# Altium PCB logical.PcbDoc
Units mm, origin at the board's own origin, x right, y up, seen from the top; angles counter-clockwise.
Board outline 100 x 50 mm, 2 copper layers (Top Layer, Bottom Layer), stack 0.771 mm thick; 55 components, 187 nets, 216 pads, 35 vias.
Unrouted connection lines stored in the file: 1.
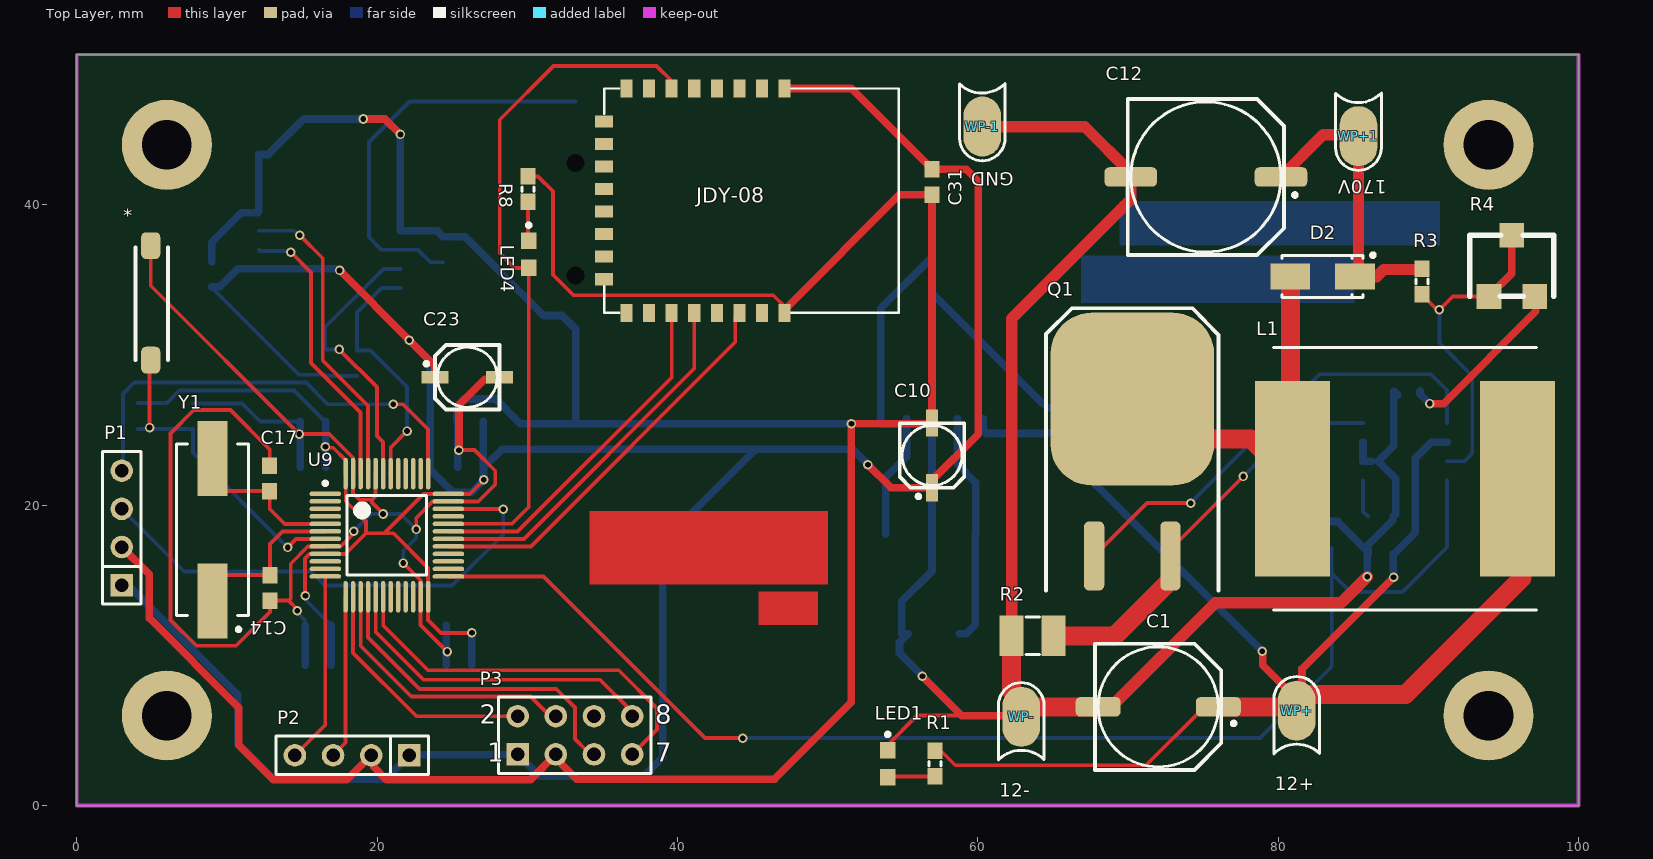
[diagram p0: Top Layer view]
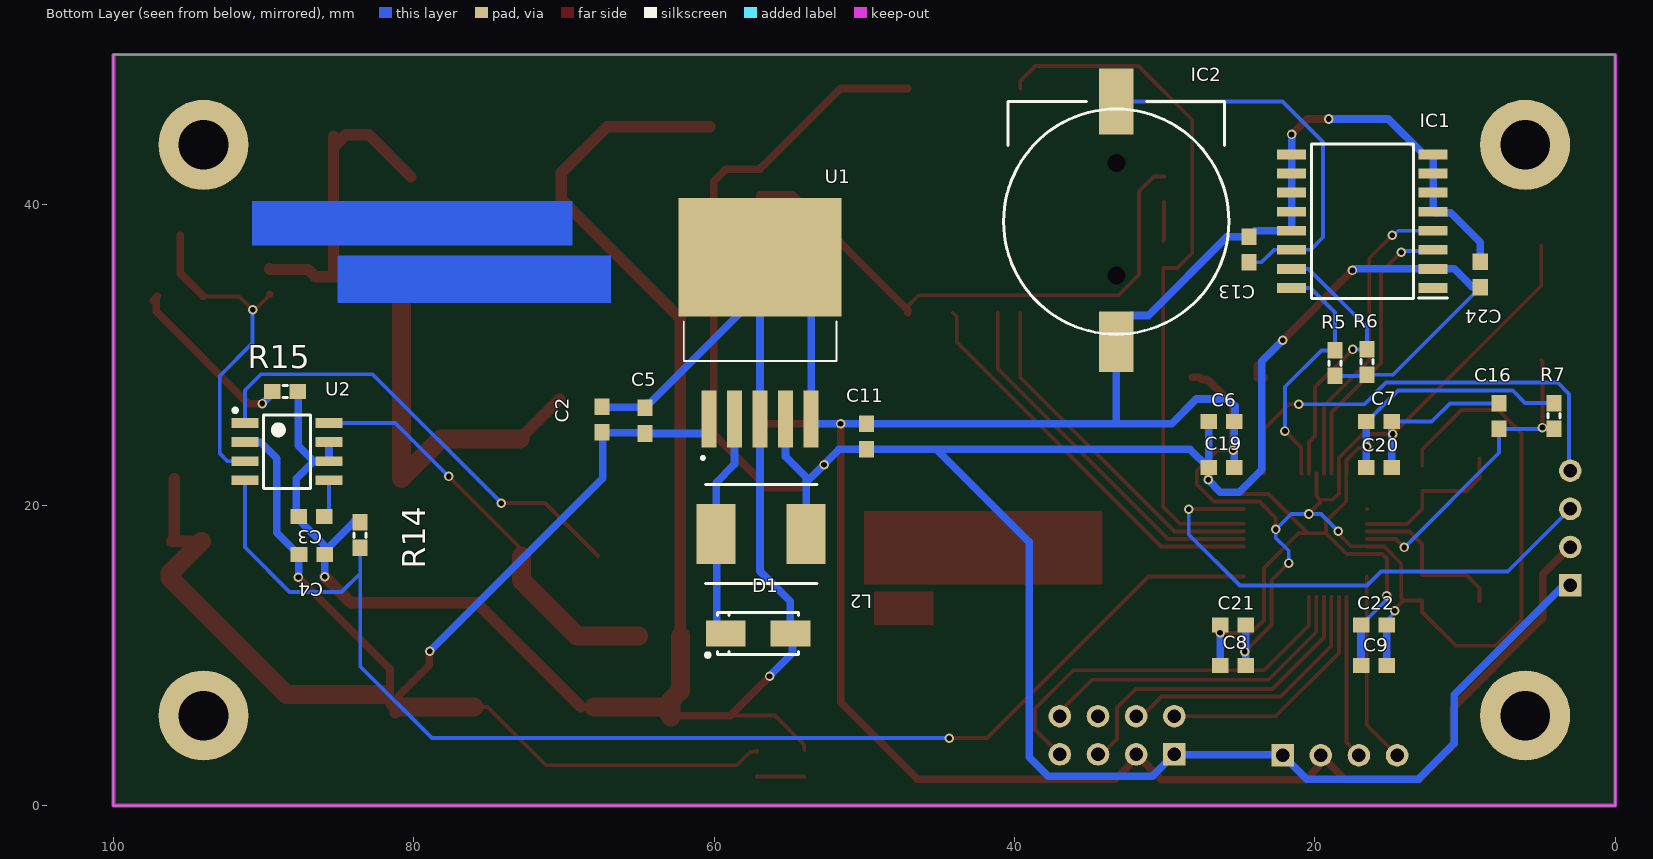
[diagram p1: Bottom Layer view, seen from below]
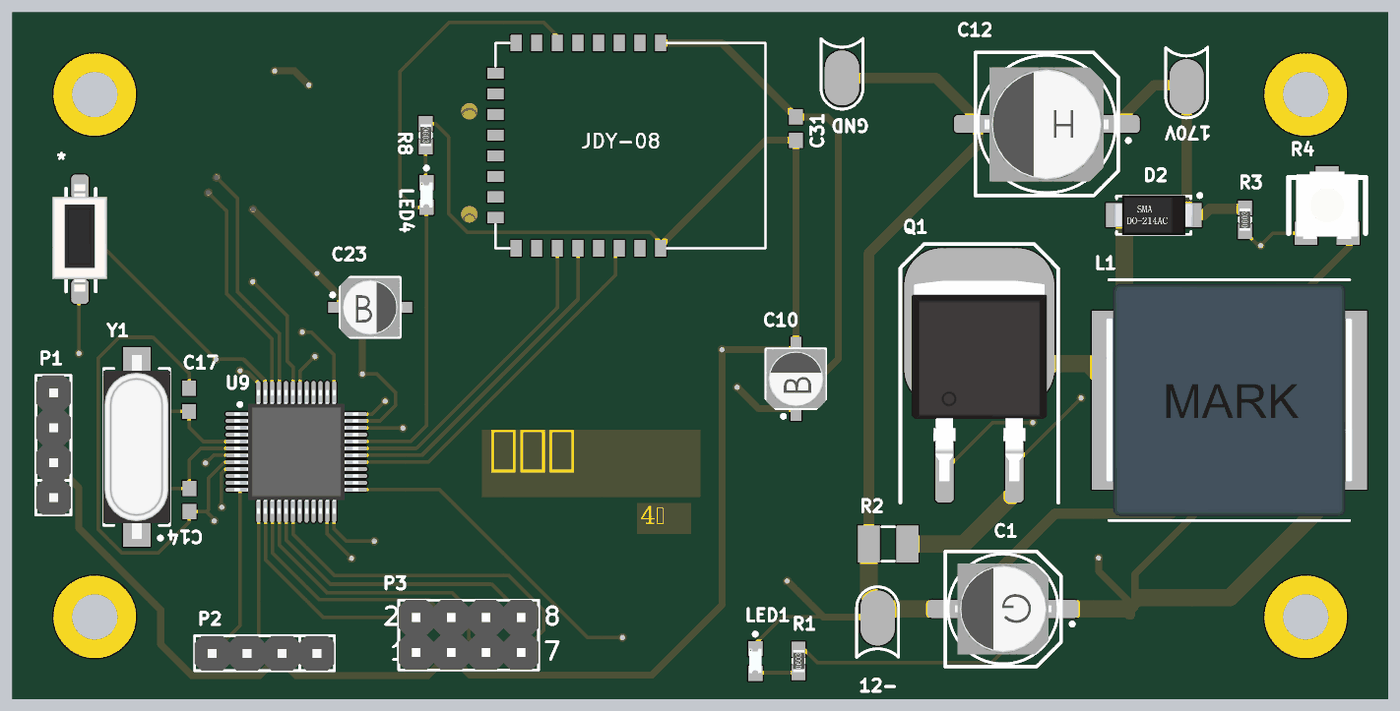
[diagram p2: 3D render of the assembled board from above, using the file's embedded part models]

## Layer stack, top to bottom
Top Solder: solder mask 0.0102, Solder Resist, Dk 3.5
Top Layer: signal copper 0.0356
Dielectric 1: dielectric 0.7, FR-4, Dk 4.8
Bottom Layer: signal copper 0.0356
Bottom Solder: solder mask 0.0102, Solder Resist, Dk 3.5

## Board outline
0,0 100,0 100,50 0,50

## Design rules (kind name [scope] priority, off if disabled: settings)
Clearance [All] p1: gap=0.178 ignorepadtopadclearanceinfootprint=FALSE
Height [All] p1: minheight=0 maxheight=50 prefheight=12.7
PolygonConnect [All] p1: connectstyle=Relief reliefconductorwidth=0.254 reliefentries=4 polygonreliefangle="90 Angle" airgapwidth=0.254
RoutingVias [All] p1: holewidth=0.381 width=0.305 viastyle="Through Hole" minholewidth=0.381 minwidth=0.635 maxholewidth=0.711 maxwidth=1.27
SolderMaskExpansion [All] p1: expansion=0.102
Width [All] p1: maxlimit=2.54 minlimit=0.203 preferedwidth=0.254
29 further rules are at their usual default settings.

## Classes and differential pairs
component class Sheet1: * C1 C2 C3 C4 C5 C6 C7 C8 C9 C10 C11 C12 C13 C14 C16 C17 C19 C20 C21 C22 C23 C24 C31 D1 D2 IC1 IC2 L1 L2 LED1 LED4 P1 P2 P3 Q1 R1 R2 R3 R4 R5 R6 R7 R8 R14 R15 U1 U2

## Components (designator, comment, footprint, x,y, rotation, side; value= is the part's Value field where it differs from the comment)
* "KEY" KEY 4.928,29.667 r90 top locked
C1 "330uF" CAPS8 72.009,6.579 r180 top
C2 "226" CAPC1608[0603] 67.462,25.705 r90 bottom
C3 "104" CAPC1608[0603] 86.817,19.253 r180 bottom
C4 "104" CAPC1608[0603] 86.792,16.739 r0 bottom
C5 "104" CAPC1608[0603] 64.618,25.629 r270 bottom
C6 "226" CAPC1608[0603] 26.213,25.578 r180 bottom
C7 "226" CAPC1608[0603] 15.723,25.578 r180 bottom
C8 "226" CAPC1608[0603] 25.451,9.347 r180 bottom
C9 "226" CAPC1608[0603] 16.078,9.347 r180 bottom
C10 "10uF" CAPS4 56.947,23.317 r90 top
C11 "104" CAPC1608[0603] 49.86,24.587 r270 bottom
C12 "10uF" CAPS10 75.184,41.859 r180 top
C13 "104" CAPC1608[0603] 24.384,37.033 r90 bottom
C14 "22PF" CAPC1608[0603] 12.878,14.503 r270 top
C16 "104" CAPC1608[0603] 7.747,25.933 r90 bottom
C17 "22PF" CAPC1608[0603] 12.852,21.793 r90 top
C19 "104" CAPC1608[0603] 26.213,22.53 r180 bottom
C20 "104" CAPC1608[0603] 15.723,22.53 r180 bottom
C21 "104" CAPC1608[0603] 25.451,12.014 r180 bottom
C22 "104" CAPC1608[0603] 16.078,12.014 r180 bottom
C23 "10uF" CAPS4 26.01,28.524 r0 top
C24 "226" CAPC1608[0603] 8.992,35.357 r90 bottom
C31 "226" CAPC1608[0603] 56.947,41.529 r270 top
D1 "SS26" SMA[DO-214AC] 57.074,11.455 r0 bottom
D2 "RS1G FR104 1A 400V" SMA[DO-214AC] 82.956,35.23 r0 top
IC1 "DS3231S" SOIC127P1032X265-16N 16.84,38.913 r0 bottom locked
IC2 "CR1220-2" CR12202 33.223,38.887 r90 bottom
L1 "220uH" WHC1770 88.443,21.768 r0 top locked
L2 "22uH" WHC0630 56.871,18.085 r0 bottom
LED1 "Red" LEDC1608(0603) 54,2.794 r270 top
LED4 "Red" LEDC1608(0603) 30.099,36.703 r270 top
P1 "Header 4" HDR1X4 2.997,14.681 r90 top
P2 "Header 4" HDR1X4 22.149,3.353 r180 top
P3 "Header 4X2" HDR2X4 29.362,3.416 r0 top locked
Q1 "IRF840S  8A  500V" TO-263 70.282,21.844 r0 top locked
R1 "5k" RESC1608[0603] 57.15,2.794 r90 top
R2 "0.05" RESC3225[1210] 63.652,11.303 r180 top value=0.05R
R3 "1.8M" RESC1608[0603] 89.586,34.9 r90 top
R4 "6k/10k" Rhostat3 95.555,35.941 r0 top
R5 "1k" RESC1608[0603] 18.669,29.464 r270 bottom
R6 "1k" RESC1608[0603] 16.535,29.54 r270 bottom
R7 "10k" RESC1608[0603] 4.089,25.959 r270 bottom
R8 "620R" RESC1608[0603] 30.048,41.046 r270 top
R14 "47k" RESC1608[0603] 83.566,18.009 r270 bottom
R15 "10k" RESC1608[0603] 88.57,27.584 r0 bottom
U1 "LM2596S-3.3" TO-263-5 56.947,32.156 r90 bottom
U2 "MAX1771" SOIC8 88.443,23.571 r180 bottom
U9 "STM32F103C8T6" LQFP48_M 20.65,18.009 r0 top locked
WP+ "12+" WirePadSingleSide 108.579,6.325 r0 top
WP+1 "170V" WirePadSingleSide 57.994,44.577 r180 top
WP- "12-" WirePadSingleSide 90.24,5.918 r0 top
WP-1 "GND" WirePadSingleSide 32.95,45.212 r180 top
Y1 "8MHz" XTAL-SMD 9.042,13.614 r90 top locked
? "CC2541-MOD" JDY-08 47.117,47.752 r0 top

## Footprints (in the part's own frame and the unit in brackets; to place one, negate y for a bottom-side part, rotate by r counter-clockwise, add the part's x,y. Pads: shape width x height; smd on the part's side, far side on the other; paste and mask are expansions set on the pad)
CAPC1608[0603] [mm] "Chip Capacitor, 2-Leads, Body 1.60x0.80mm, IPC Medium Density"
  rect 1.1x1 smd: 1(-0.85,0) 2(0.85,0)
  body extent -0.88,-0.48 0.87,0.47, height 0.85
CAPS4 [mm] "Solid Electorlytic Capacitor, B-type Footprint, 4mm Diameter, 5.5mm Height"
  rect 1.8x0.8 smd: 1(-2.15,0) 2(2.15,0)
  silkscreen extent -2.85,-2.15 2.15,2.15, body extent -2.29,-2.16 2.31,2.14, height 5.2
CAPS8 [mm] "Solid Electorlytic Capacitor, G-type Footprint, 8mm Diameter, 10mm Height"
  rrect50% 3x1.3 smd: 1(-4,0) 2(4,0)
  silkscreen extent -5.15,-4.2 4.2,4.2, body extent -3.5,-3.3 3.5,3.3, height 7.7
CAPS10 [mm] "Solid Electorlytic Capacitor, H-type Footprint, 10mm Diameter, 10mm Height"
  rrect50% 3.5x1.3 smd: 1(-5,0) 2(5,0)
  silkscreen extent -6.05,-5.2 5.2,5.2, body extent -4.47,-4.12 4.53,4.18, height 10.5
CR12202 [mm]
  rect 4x2.3 smd: 1(-8,0)
  rect 4.4x2.3 smd: 2(8,0)
  round 0.6 hole 1.2 unplated: MH1(-3.6,0) MH2(3.9,0)
  silkscreen extent -7.5,-7.5 8,7.5, body extent -9.29,-7.49 9.21,7.5, height 4.44
HDR1X4 [mm] "Connector; Header; 4 Position"
  rect 1.5x1.5 hole 0.9: 1(0,0)
  round 1.5 hole 0.9: 2(2.54,0) 3(5.08,0) 4(7.62,0)
  silkscreen extent -1.27,-1.27 8.89,1.27, body extent -1.27,-1.27 8.89,1.27, height 8.54
HDR2X4 [mm] "Connector; Header; 4x2 Position"
  rect 1.5x1.5 hole 0.9: 1(0,0)
  round 1.5 hole 0.9: 2(0,2.54) 3(2.54,0) 4(2.54,2.54) 5(5.08,0) 6(5.08,2.54) 7(7.62,0) 8(7.62,2.54)
  silkscreen extent -1.27,-1.27 8.89,3.81, body extent -1.27,-1.27 8.89,3.81, height 8.54
JDY-08 [mm]
  rect 0.8x1.2 smd: 1(0,0) 2(-1.5,0) 3(-3,0) 4(-4.5,0) 5(-6,0) 6(-7.5,0) 7(-9,0) 8(-10.5,0) 17(-10.5,-14.935) 18(-9,-14.935) 19(-7.5,-14.935) 20(-6,-14.935) 21(-4.5,-14.935) 22(-3,-14.935) 23(-1.5,-14.935) 24(0,-14.935)
  rect 1.2x0.8 smd: 9(-12,-2.202) 10(-12,-3.702) 11(-12,-5.202) 12(-12,-6.702) 13(-12,-8.202) 14(-12,-9.702) 15(-12,-11.202) 16(-12,-12.702)
  silkscreen extent -12,-14.94 7.61,0
KEY [mil]
  rrect50% 70x50 smd: 1(0,0) 2(300,0)
  silkscreen extent 0,-45 295,40, body extent 0,-78 308,80, height 102
LEDC1608(0603) [mm] "LED,Chip;1.60mm L X 0.80mm W X 0.80mm H"
  rect 1.1x1.05 smd: A(0.9,0) C(-0.9,0)
  silkscreen extent -2.07,-0.12 -1.83,0.13, body extent -0.9,-0.45 0.9,0.45, height 0.8
LQFP48_M [mm] "Thin QFP, 48-Leads, Body 7x7mm, Pitch 0.5mm, IPC Low Density"
  oval 2.1x0.3 smd: 1(-4.1,2.75) 2(-4.1,2.25) 3(-4.1,1.75) 4(-4.1,1.25) 5(-4.1,0.75) 6(-4.1,0.25) 7(-4.1,-0.25) 8(-4.1,-0.75) 9(-4.1,-1.25) 10(-4.1,-1.75) 11(-4.1,-2.25) 12(-4.1,-2.75) 25(4.1,-2.75) 26(4.1,-2.25) 27(4.1,-1.75) 28(4.1,-1.25) 29(4.1,-0.75) 30(4.1,-0.25) 31(4.1,0.25) 32(4.1,0.75) 33(4.1,1.25) 34(4.1,1.75) 35(4.1,2.25) 36(4.1,2.75)
  oval 0.3x2.1 smd: 13(-2.75,-4.1) 14(-2.25,-4.1) 15(-1.75,-4.1) 16(-1.25,-4.1) 17(-0.75,-4.1) 18(-0.25,-4.1) 19(0.25,-4.1) 20(0.75,-4.1) 21(1.25,-4.1) 22(1.75,-4.1) 23(2.25,-4.1) 24(2.75,-4.1) 37(2.75,4.1) 38(2.25,4.1) 39(1.75,4.1) 40(1.25,4.1) 41(0.75,4.1) 42(0.25,4.1) 43(-0.25,4.1) 44(-0.75,4.1) 45(-1.25,4.1) 46(-1.75,4.1) 47(-2.25,4.1) 48(-2.75,4.1)
  silkscreen extent -4.22,-2.65 2.65,3.57, body extent -4.5,-4.5 4.5,4.5, height 1.6
RESC1608[0603] [mm] "Chip Resistor, 2-Leads, Body 1.60x0.82mm, IPC Medium Density"
  rect 1.1x1 smd: 1(-0.85,0) 2(0.85,0)
  silkscreen extent -0.15,-0.4 0.15,0.4, body extent -0.8,-0.4 0.8,0.4, height 0.45
RESC3225[1210] [mm] "Chip Resistor, 2-Leads, Body 3.20x2.49mm, IPC Medium Density"
  rect 1.6x2.7 smd: 1(-1.4,0) 2(1.4,0)
  silkscreen extent -0.45,-1.25 0.45,1.25, body extent -1.68,-1.32 1.68,1.32, height 0.71
Rhostat3 [mil]
  rect 65x65 smd: 1(-60,-80) 2(60,-80) 3(0,80)
  silkscreen extent -110,-80 110,80, body extent -89,-96 89,96, height 87
SMA[DO-214AC] [mm] "Molded Diode, 2-Leads, Body 5.00x2.49mm, IPC Medium Density"
  rect 2.65x1.75 smd: A(-2.15,0) K(2.15,0)
  silkscreen extent -2.7,-1.4 3.48,1.55, body extent -2.9,-1.46 2.91,1.46, height 2.3
SOIC8 [mm] "SOIC,1.27mm pitch;8 pin,3.90mm W X 4.88mm L X 1.73mm H body"
  rect 1.8x0.65 smd: 1(-2.8,1.905) 2(-2.8,0.635) 3(-2.8,-0.635) 4(-2.8,-1.905) 5(2.8,-1.905) 6(2.8,-0.635) 7(2.8,0.635) 8(2.8,1.905)
  silkscreen extent -3.58,-2.45 1.58,2.87, body extent -3.11,-2.45 3.11,2.45, height 1.75
SOIC127P1032X265-16N [mm]
  rect 1.925x0.65 smd: 1(-4.712,4.445) 2(-4.712,3.175) 3(-4.712,1.905) 4(-4.712,0.635) 5(-4.712,-0.635) 6(-4.712,-1.905) 7(-4.712,-3.175) 8(-4.712,-4.445) 9(4.712,-4.445) 10(4.712,-3.175) 11(4.712,-1.905) 12(4.712,-0.635) 13(4.712,0.635) 14(4.712,1.905) 15(4.712,3.175) 16(4.712,4.445)
  silkscreen extent -5.68,-5.15 3.4,5.15, body extent -5.16,-5.15 5.16,5.15, height 2.65
TO-263 [mm]
  rrect50% 1.35x4.6 smd: 1(-2.54,-5.225) 3(2.54,-5.225)
  rrect50% 10.9x11.5 smd: 2(0,5.225)
  silkscreen extent -5.74,-7.52 5.74,11.28, body extent -4.91,-5.98 4.91,8.6, height 4.22
TO-263-5 [mm]
  rect 3.79x0.99 smd: 1(-6.4,3.4) 2(-6.4,1.7) 3(-6.4,0) 4(-6.4,-1.7) 5(-6.4,-3.4)
  rect 7.88x10.84 smd paste-6: 6(4.35,0)
  silkscreen extent -9.1,-5.08 0.09,5.08, body extent -7.04,-5.08 7.32,5.08, height 4.65
WHC0630 [mm] "7.4mm 6.6mm 3mm"
  rect 2.6x4 smd: 1(-3,0) 2(3,0)
  silkscreen extent -3.7,-3.3 3.7,3.3, body extent -3.66,-3.38 3.64,3.22, height 2.8
WHC1770 [mm] "17.5mm 17.5mm 7mm"
  rect 5x13 smd: 1(-7.5,0) 2(7.5,0)
  silkscreen extent -8.75,-8.75 8.75,8.75, body extent -8.95,-8.43 8.95,8.47, height 6.81
WirePadSingleSide [mm] "A single-side pad for soldering wire."
  oval 2.5x4 smd: 1(-27.35,0)
  silkscreen extent -28.87,-2.88 -25.83,2.27
XTAL-SMD [mm]
  rect 5x2 smd: 1(0,0) 2(9.5,0)
  silkscreen extent -2,-2.4 10.45,2.4, body extent -1.95,-2.46 11.45,2.44, height 4

## Part data
C1: library part "Cap Solid", "Polarized Capacitor (Radial)", Voltage=25V, Price(RMB)=0.000, Published=8-Jun-2000, Publisher="Altium Limited", Revision="July-2002: Re-released for DXP Platform."
C2 C3 C4 C5 C6 C7 C8 C9 C11 C13 C14 C16 C17 C19 C20 C21 C22 C24 C31: library part "Cap Chip 1", "Chip Capacitor, PSpice Model", Tolerance=Y5V, Voltage=3V, Price(RMB)=0.000, Published=8-Jun-2000, Publisher="Altium Limited", Revision="July-2002: Re-released for DXP Platform."
C10 C23: library part "Cap Solid", "Polarized Capacitor (Radial)", Voltage=16V, Price(RMB)=0.000, Published=8-Jun-2000, Publisher="Altium Limited", Revision="July-2002: Re-released for DXP Platform."
C12: library part "Cap Solid", "Polarized Capacitor (Radial)", Voltage=400V, Price(RMB)=0.000, Published=8-Jun-2000, Publisher="Altium Limited", Revision="July-2002: Re-released for DXP Platform."
D1: library part "Diode SMx", "Molded Diode", Imax=500mA, PartNumber=SS26, Price(RMB)=0.000, Published=8-Jun-2000, Publisher="Altium Limited", Revision="July-2002: Re-released for DXP Platform."
D2: library part "Diode TVS Uni-Dir", "TRANSIENT VOLTAGE  SUPPRESSOR DIODE", PartNumber=P/N, Imax=500mA, Price(RMB)=0.000, Published=8-Jun-2000, Publisher="Altium Limited"
IC1: "Integrated Circuit", Manufacturer_Name="Maxim Integrated", Mouser Part Number=700-DS3231S-, Datasheet Link=http://componentsearchengine.com/Datasheets/1/DS3231S.pdf, Height=2.65mm, Manufacturer_Part_Number=DS3231S, Mouser Price/Stock=https://www.mouser.co.uk/ProductDetail/Maxim-Integrated/DS3231S/?qs=ffX8NcjNb2RJWdvttxi1fQ%3D%3D
IC2: "Integrated Circuit", Manufacturer_Name=Q&J, Datasheet Link=https://datasheet.lcsc.com/szlcsc/Q-J-CR1220-2_C70381.pdf, Height=4.1mm, Manufacturer_Part_Number=CR1220-2
L1 L2: library part L
LED1 LED4: library part "LED Chip", "Typical Chip LED", Color=Red, Price(RMB)=0.00, Published=8-Jun-2000, Publisher="Altium Limited", Revision="July-2002: Re-released for DXP Platform."
P1 P2: "Header, 4-Pin", LatestRevisionDate=17-Jul-2002, LatestRevisionNote="Re-released for DXP Platform.", Price(RMB)=0.00, Publisher="Altium Limited"
P3: "Header, 4-Pin, Dual row", LatestRevisionDate=17-Jul-2002, LatestRevisionNote="Re-released for DXP Platform.", Price(RMB)=0.00, Publisher="Altium Limited"
Q1: library part NMOS
R1 R2 R3 R5 R6 R7 R8 R14 R15: library part "Res Chip 2p 1", "Chip Resistor, PSpice Model, IPC PCB Library Drawing", Tolerance=5%, Price(RMB)=0.000, Published=8-Jun-2000, Publisher="Altium Limited", Revision="July-2002: Re-released for DXP Platform.", TC1=0, TC2=0
R4: library part Rhostat
U1: library part LM2596S-5.0, "SIMPLE SWITCHER&reg; 4.5V to 40V, 3A Low Component Count Step-Down Regulator 5-DDPAK/TO-263", Package="TO-263-5 Texas Instruments", Availability=Good, Check_prices=https://www.snapeda.com/parts/LM2596S-5.0/NOPB/Texas%20Instruments/view-part/15588/?ref=eda, DigiKey-Purchase-URL=https://snapeda.com/shop?store=DigiKey&id=15588, MF="Texas Instruments", Mouser-Purchase-URL=https://snapeda.com/shop?store=Mouser&id=15588, MP=LM2596S-5.0/NOPB, Price=None, SnapEDA_Link=https://www.snapeda.com/parts/LM2596S-5.0/NOPB/Texas%20Instruments/view-part/15588/?ref=snap, Texas_Instruments-Purchase-URL=https://snapeda.com/shop?store=Texas+Instruments&id=15588
U2: "DC-to-DC Converter Control Circuit", PartNumber=MAX1771, Price(RMB)=0.0
U9: "STM32 ARM-based 32-bit MCU Performance Line with 64 kB Flash, 20 kB Internal RAM, -40 to +85癈 Temperature, 48-Pin LQFP, Tray", ComponentLink1Description="Manufacturer URL", ComponentLink1URL=http://www.st.com/, ComponentLink2Description="STM32F103 Datasheet", ComponentLink2URL=http://www.st.com/internet/com/TECHNICAL_RESOURCES/TECHNICAL_LITERATURE/DATASHEET/CD00161566.pdf, ComponentLink3Description="STM32 Family Web Page", ComponentLink3URL=www.st.com/stm32, DatasheetVersion="rev13.0, Apr-2011", PackageDescription="48-Pin Low-Profile Quad Flat Pack, 7 x 7 mm Body, 0.5 mm Pitch (LQFP48)", PackageReference=LQFP48, PackageVersion="rev13, Apr-2011"
WP+ WP+1 WP- WP-1: library part "Wire Pad", "Wire soldering pad.", Price(RMB)=0.000
Y1: library part XTAL, "Crystal Oscillator", Price(RMB)=0.000, Published=8-Jun-2000, Publisher="Altium Limited", Revision="July-2002: Re-released for DXP Platform."

## Free pads (board coordinates)
  round 6 hole 3.3: 15(6,6) 15(6,44) 15(94,6) 15(94,44)

## Via types
v1: diameter 0.635, hole 0.381, Top Layer to Bottom Layer, tented both sides, 35 vias

## Nets (pads, with @x,y where several pads share a name; then routed paths per layer and width w, separated by ;. In a path a pad name is that pad's centre, name@x,y a point inside that pad or via, vN(x,y) a via of type N, cw(c..) or ccw(c..) an arc to the next point about the centre after c; other vN are vias at no path point)
1_N0: 
1_N1: 
1_N2: 
1_N3: 
1_N4: 
1_N5: 
1_N6: 
1_N7: 
1_N8: 
1_N9: 
2_N0: 
2_N1: 
2_N2: 
2_N3: 
2_N4: 
2_N5: 
2_N6: 
2_N7: 
2_N8: 
2_N9: 
3_N0: 
3_N1: 
3_N2: 
3_N3: 
3_N4: 
3_N5: 
3_N6: 
3_N7: 
3_N8: 
3_N9: 
4_N0: 
4_N1: 
4_N2: 
4_N3: 
4_N4: 
4_N5: 
4_N6: 
4_N7: 
4_N8: 
4_N9: 
32kHz: IC1.1
+3.3V: ?.1 C6.1 C7.1 C8.1 C9.1 C10.1 C11.2 C19.1 C20.1 C21.1 C22.1 C23.1 C24.1 C31.1 IC1.2 L2.1 P1.1 P2.1 P3.1 R5.2 R6.2 R7.1 U1.4 U9.9 U9.24 U9.36 U9.48 | length 254.2
  Top Layer w0.254: v1(15.232,13.978) 15.195,14.015 15.195,16.447 15.498,16.75 16.541,16.75 U9.9 17.876,16.759 19.253,18.136 ; v1(16.561,23.901) 16.634,23.829 17.08,23.829 17.9,23.009 U9.48 17.909,22.1 17.909,20.267 19.253,18.923 19.253,18.136 ; 20.523,18.186 23.087,20.75 24.741,20.75 U9.36 26.169,20.759 v1(27.102,21.692) ; v1(26.314,11.506) 24.257,11.506 23.4,12.363 U9.24 23.395,13.913 23.395,15.822 21.082,18.136 19.253,18.136
  Top Layer w0.508: v1(17.501,35.636) v1(22.149,30.988) 23.847,29.29 23.847,28.511 C23.1@23.372,28.511 ; ?.1 51.574,47.752 56.651,42.675 56.701,42.675 56.947,42.429 C31.1 59.221,42.379 60.02,41.58 60.02,24.741 56.947,21.667 C10.1 54.22,21.167 v1(52.68,22.708)
  Bottom Layer w0.254: R7.1 6.003,26.809 6.833,27.638 14.462,27.638 16.523,25.578 C7.1 ; C24.1 14.808,28.69 R6.2 16.612,28.614 R5.2 ; v1(15.232,13.978) 15.232,13.711 C22.1
  Bottom Layer w0.508: P1.1 3.429,14.681 10.719,7.391 10.719,4.14 13.106,1.753 20.549,1.753 P2.1 22.18,3.384 29.331,3.384 P3.1 30.823,1.956 37.744,1.956 39.014,3.226 39.014,17.551 45.2,23.737 ; C24.1 8.992,34.557 9.538,34.557 10.719,35.738 IC1.2 17.399,35.738 v1(17.501,35.636) ; C20.1 C7.1 ; C9.1 C22.1 ; v1(22.149,30.988) 23.546,29.591 23.546,22.377 25.044,20.879 26.289,20.879 v1(27.102,21.692) 27.082,21.711 27.082,22.511 C19.1 ; C8.1 v1@26.301,11.506 ; C6.1 C19.1 ; 51.675,23.737 C11.2 45.2,23.737 ; 51.702,23.711 53.871,21.542 ; L2.1 53.871,21.542 ; U1.4 55.247,23.243 53.871,21.867 53.871,21.542 ; C19.1 27.113,22.53 28.32,23.737 45.2,23.737
+12: C1.1 C2.1 C4.2 C5.2 L1.2 R1.2 U1.1 U2.2 WP+.1 | length 108.7
  Top Layer w0.254: R1.2 57.15,3.594 57.595,3.594 58.496,2.692 71.196,2.692 75.082,6.579 C1.1
  Top Layer w0.508: v1(78.943,10.287) 78.967,10.263 78.967,9.336 81.229,7.075 WP+.1 81.587,6.683 81.587,6.962 81.587,9.121 v1(87.681,15.215)
  Top Layer w0.762: WP+.1@80.823,6.579 WP+.1@81.229,6.172 ; WP+.1@81.587,6.962 WP+.1@82.032,7.407 ; L1.2@94.127,17.597 96.114,17.597 95.943,17.768 L1.2
  Top Layer w1.27: C1.1 WP+.1@80.823,6.579 ; WP+.1@82.032,7.407 88.484,7.407 96.241,15.164 96.241,15.484 L1.2@94.127,17.597
  Bottom Layer w0.508: U1.1 60.347,25.02 60.588,24.779 C5.2 64.656,24.817 67.424,24.817 67.424,21.806 v1(78.943,10.287) ; v1(87.681,15.215) 87.661,15.234 87.661,16.719 C4.2 87.692,16.739 89.129,18.175 89.129,23.139 90.195,24.206 U2.2
+170: C12.1 D2.K R3.2 WP+1.1 | length 20.9
  Top Layer w0.762: C12.1 83.003,44.679 84.492,44.679 WP+1.1@85.344,43.827 ; WP+1.1 WP+1.1@85.344,43.827 ; R3.2 89.586,35.7 87.033,35.7 86.563,35.23 D2.K 85.344,35.467 WP+1.1@85.344,43.827
_1_N0: 
_1_N1: 
_1_N2: 
_1_N3: 
_1_N4: 
_1_N5: 
_1_N6: 
_1_N7: 
_1_N8: 
_1_N9: 
_2_N0: 
_2_N1: 
_2_N2: 
_2_N3: 
_2_N4: 
_2_N5: 
_2_N6: 
_2_N7: 
_2_N8: 
_2_N9: 
_3_N0: 
_3_N1: 
_3_N2: 
_3_N3: 
_3_N4: 
_3_N5: 
_3_N6: 
_3_N7: 
_3_N8: 
_3_N9: 
_4_N0: 
_4_N1: 
_4_N2: 
_4_N3: 
_4_N4: 
_4_N5: 
_4_N6: 
_4_N7: 
_4_N8: 
_4_N9: 
CS: Q1.3 R2.1 U2.8 | length 27.7
  Top Layer w0.254: Q1.3 72.86,16.657 72.86,17.107 v1(77.673,21.92)
  Top Layer w1.27: R2.1 69.131,11.303 72.822,14.994 Q1.3
  Bottom Layer w0.254: v1(77.673,21.92) 81.229,25.476 U2.8
DISC: ?.21
DOT1: 
DOT2: 
DS3231_SCL: IC1.16 R5.1 U9.42 | length 16.7
  Top Layer w0.254: U9.42 20.909,22.117 20.909,23.855 v1(21.996,24.943)
  Bottom Layer w0.254: IC1.16 20.295,34.468 18.669,32.842 R5.1 19.572,30.314 21.996,27.889 v1(21.996,24.943)
DS3231_SDA: IC1.15 R6.1 U9.43 | length 18.5
  Top Layer w0.254: v1(17.475,30.378) 19.99,27.864 19.99,24.613 20.4,24.202 U9.43
  Bottom Layer w0.254: v1(17.475,30.378) 16.547,30.378 R6.1 16.535,31.852 20.422,35.738 IC1.15
EXT: Q1.1 U2.1 | length 31.1
  Top Layer w0.254: Q1.1 71.265,20.142 v1(74.168,20.142)
  Bottom Layer w0.254: v1(74.168,20.142) 82.753,28.727 90.17,28.727 91.243,27.655 U2.1
FB: R3.1 R4.1 R4.3 U2.3 | length 22.3
  Top Layer w0.254: R3.1 89.586,34 90.493,33.093 90.656,33.093 v1(90.729,33.02) 91.618,33.909 R4.1
  Top Layer w0.508: R3.1 R3.1@89.592,34.055 ; R4.1 95.555,35.433 R4.3
  Bottom Layer w0.254: v1(90.729,33.02) 90.729,30.81 92.913,28.626 92.913,23.444 92.405,22.936 U2.3
GND: *.2 ?.24 C1.2 C2.2 C3.1 C4.1 C5.1 C6.2 C7.2 C8.2 C9.2 C10.2 C11.1 C12.2 C13.2 C14.2 C16.2 C17.2 C19.2 C20.2 C21.2 C22.2 C23.2 C24.2 C31.2 D1.A IC1.5 IC1.6 IC1.7 IC1.8 IC1.9 IC1.10 IC1.11 IC1.12 IC1.13 IC2.1 LED1.C P1.2 P2.2 P3.3 pad.15@94,44 R2.2 R8.1 R14.1 R15.1 U1.3 U1.5 U1.6 U2.6 U2.7 U9.8 U9.23 U9.35 U9.44 U9.47 WP-1.1 WP-.1 | length 505.1
  Top Layer w0.254: *.2 4.928,34.62 v1(14.808,24.74) 16.812,24.74 18.391,23.161 18.391,22.117 U9.47 18.4,20.792 18.821,20.371 19.66,20.371 ; C17.2 12.852,23.724 10.236,26.34 7.798,26.34 6.248,24.79 6.248,12.37 7.976,10.643 10.617,10.643 12.878,12.903 C14.2 14.101,13.653 ; v1(14.681,12.979) 14.681,13.073 14.101,13.653 ; v1(18.44,18.263) 18.368,18.19 18.368,18.033 17.602,17.267 16.559,17.267 U9.8 16.541,17.25 15.388,17.25 14.249,16.112 14.249,13.802 14.101,13.653 ; U9.44 19.9,20.611 19.66,20.371 ; v1(20.396,19.418) 20.396,19.456 19.66,20.193 19.66,20.371 ; v1(21.742,16.154) 22.891,15.005 22.891,13.917 U9.23 22.9,12.025 v1(24.663,10.262) ; v1(22.606,18.39) 22.606,19.158 23.698,20.25 24.741,20.25 U9.35 26.736,20.259 27.864,21.387 27.864,22.301 26.492,23.673 v1(25.451,23.673) ; R8.1 30.722,41.896 31.708,40.911 31.708,35.348 33.071,33.985 46.38,33.985 ?.24@47.233,33.133 ; LED1.C 54,4.039 55.957,5.996 58.927,5.996 ; C10.2@56.917,25.437 C10.2
  Top Layer w0.508: P1.2 4.826,15.392 4.826,12.497 10.795,6.528 10.795,4.013 13.081,1.727 17.983,1.727 P2.2 19.768,3.193 19.768,2.584 20.625,1.727 30.214,1.727 P3.3 31.902,3.148 33.297,1.753 46.457,1.753 51.583,6.879 v1(51.583,25.437) C10.2@56.917,25.437 ; v1(19.075,45.72) 20.524,45.72 v1(21.552,44.692) ; v1(25.451,23.673) 25.451,26.67 27.159,28.378 27.514,28.378 27.66,28.524 C23.2 ; ?.24 47.117,33.017 47.233,33.133 54.779,40.679 C31.2 C10.2 ; v1(56.312,8.611) 58.927,5.996 62.813,5.996 WP-.1 ; C1.2 C1.2@68.885,6.579
  Top Layer w0.762: WP-1.1 67.107,45.212 70.184,42.135 C12.2 70.184,40.364 62.252,32.433 R2.2 ; C1.2@68.885,6.579 75.819,13.513 84.201,13.513 v1(85.928,15.24)
  Top Layer w1.27: R2.2 62.252,7.639 62.89,7.001 WP-.1@62.89,6.01 ; WP-.1 WP-.1@62.89,6.01 ; C1.2 63.459,6.579 WP-.1@62.89,6.01
  Bottom Layer w0.254: C16.2 11.012,26.783 12.217,25.578 C7.2 ; v1(14.681,12.979) 14.681,12.876 15.178,12.379 15.178,12.014 C22.2 ; v1(18.44,18.263) 19.596,19.418 v1(20.396,19.418) 21.577,19.418 v1(22.606,18.39) 22.606,17.831 21.742,16.967 v1(21.742,16.154)
  Bottom Layer w0.508: C24.2 8.992,37.519 10.95,39.477 12.057,39.477 IC1.5 IC1.6 IC1.7 IC1.8 12.766,43.358 15.128,45.72 v1(19.075,45.72) ; C20.2 C7.2 ; C9.2 C22.2 ; v1(21.552,44.692) IC1.9 IC1.10 IC1.11 IC1.12 IC1.13 23.989,38.278 C13.2 25.854,37.883 31.103,32.633 32.327,32.633 33.223,31.737 IC2.1 33.223,25.488 33.274,25.437 ; C8.2 C21.2 ; C19.2 C6.2 25.324,25.617 25.324,26.619 25.781,27.076 27.889,27.076 29.528,25.437 33.274,25.437 ; v1(56.312,8.611) 56.312,8.636 54.788,10.16 54.788,10.869 55.374,11.455 D1.A 54.924,13.598 56.947,15.621 U1.3 U1.6 53.547,33.106 U1.5 53.547,25.678 53.306,25.437 v1(51.583,25.437) C11.1 33.274,25.437 ; U1.6@57.067,34.029 64.322,26.775 64.372,26.775 64.618,26.529 C5.1 64.656,26.517 67.424,26.517 C2.2 ; R14.1@83.458,18.967 83.458,18.917 83.978,18.917 85.942,16.954 C4.1 ; U2.7 U2.6 U2.6@86.218,22.936 ; v1@85.904,15.216 v1(85.928,15.24) 85.935,15.247 85.935,16.732 C4.1 ; C3.1@87.617,18.999 85.992,17.374 85.992,16.739 C4.1 ; C3.1 87.833,19.419 87.833,21.768 86.665,22.936 87.694,23.966 R15.1@87.694,27.584 ; R15.1 R15.1@87.96,27.344
I\N\T\: IC1.3 U9.46 | length 18.9
  Top Layer w0.254: v1(14.249,36.855) 15.596,35.509 15.596,29.464 18.891,26.168 18.891,22.117 U9.46
  Bottom Layer w0.254: IC1.3 12.208,36.928 14.177,36.928 v1(14.249,36.855)
NetC13_1: C13.1 IC1.14 IC2.2 | length 26.8
  Bottom Layer w0.254: C13.1 23.558,36.183 22.733,37.008 IC1.14 20.295,37.008 19.456,37.846 19.456,44.196 22.148,46.887 IC2.2
NetD1_K: D1.K L2.2 U1.2 | length 15.5
  Bottom Layer w0.508: U1.2 58.647,22.735 59.871,21.511 L2.2 59.819,18.033 59.819,12.05 D1.K D1.K@58.774,11.455
NetD2_A: D2.A L1.1 Q1.2 | length 26.1
  Top Layer w0.762: Q1.2 Q1.2@72.926,24.425
  Top Layer w1.27: Q1.2@72.926,24.425 78.191,24.425 80.823,21.793 D2.A@80.823,35.179
NetI1_1: 
NetI2_1: 
NetI3_1: 
NetI4_1: 
NetLED1_A: LED1.A R1.1 | length 3.2
  Top Layer w0.254: LED1.A 54.05,1.944 R1.1
NetLED2_1: 
NetLED2_2: 
NetLED3_1: 
NetLED3_2: 
NetLED4_C: LED4.C R8.2 | length 2.6
  Top Layer w0.254: R8.2 30.048,37.654 LED4.C
NetLED5_A: 
NetQ2_1: 
NetQ3_1: 
NetQ4_1: 
NetQ5_1: 
NetQ6_1: 
NetQ7_1: 
NetQ8_1: 
NetQ9_1: 
NetQ10_1: 
NetQ11_1: 
NetQ12_1: 
NetQ13_1: 
NetQ14_1: 
NetQ15_1: 
NetQ16_1: 
NetQ17_1: 
NetQ18_1: 
NetQ19_1: 
NetQ20_1: 
NetQ21_1: 
NetQ22_1: 
NetQ23_1: 
NetQ24_1: 
NetQ25_1: 
NetQ26_1: 
NetQ27_1: 
NetQ28_1: 
NetQ29_1: 
NetQ30_1: 
NetQ31_1: 
NetQ32_1: 
NetQ33_1: 
NetQ34_1: 
NetQ35_1: 
NetQ36_1: 
NetQ37_1: 
NetQ38_1: 
NetQ39_1: 
NetQ40_1: 
NetQ41_1: 
NetQ42_1: 
NetQ43_1: 
NetR4_2: R4.2 R15.2 | length 12
  Top Layer w0.508: v1(90.094,26.772) 91.012,26.772 97.155,32.915 R4.2@97.155,33.833 ; R4.2 R4.2@97.155,33.833 ; R4.2@97.358,33.63 R4.2@97.155,33.833
  Bottom Layer w0.508: R15.2@89.446,27.611 R15.2 89.432,27.572 89.432,27.433 v1(90.094,26.772)
NetR10_1: 
NetR11_1: 
NetR12_1: 
NetR13_1: 
NRST: *.1 C16.1 R7.2 U9.7 | length 21.4
  Top Layer w0.254: v1(4.851,25.171) 4.851,29.591 *.1 ; v1(14.046,17.196) 14.609,17.759 U9.7
  Bottom Layer w0.254: R7.2@4.089,25.083 C16.1 7.747,23.495 v1(14.046,17.196)
O\E\: P3.5 U9.16 | length 22.2
  Top Layer w0.254: U9.16 19.4,11.207 22.835,7.772 31.928,7.772 33.172,6.528 33.172,4.445 34.024,3.594 34.265,3.594 P3.5
OSC32_IN: U9.3 | length 0
  Top Layer w0.254: U9.3@16.541,19.767 U9.3
OSC32_OUT: U9.4
OSC_IN: C17.1 U9.5 Y1.2 | length 10.8
  Top Layer w0.254: Y1.2 9.042,21.816 9.915,20.943 C17.1 12.852,19.761 13.855,18.759 U9.5
OSC_OUT: C14.1 U9.6 Y1.1 | length 11.2
  Top Layer w0.254: Y1.1@9.093,13.665 Y1.1 9.042,14.48 9.915,15.353 C14.1 12.878,17.424 13.712,18.259 U9.6
PWRC: ?.22 U9.29 | length 26.8
  Top Layer w0.254: U9.29 30.238,17.259 43.844,30.865 43.844,32.544 ?.22
R\S\T\: IC1.4 U9.45 | length 20.6
  Top Layer w0.254: v1(14.859,37.973) 16.383,36.449 16.383,29.642 19.4,26.625 U9.45
  Bottom Layer w0.254: IC1.4 14.451,38.278 14.756,37.973 v1(14.859,37.973)
RCLK: P3.7 U9.18 | length 26.2
  Top Layer w0.254: U9.18 20.409,13.9 20.409,12.001 23.393,9.017 36.093,9.017 38.633,6.477 38.633,5.067 P3.7
REF: C3.2 U2.5 | length 2.5
  Bottom Layer w0.254: U2.5 85.643,19.578 C3.2
RGB1_B: 
RGB1_G: 
RGB1_R: 
RGB2_B: 
RGB2_G: 
RGB2_R: 
RXD: ?.20 U9.30 | length 24.8
  Top Layer w0.254: U9.30 29.773,17.759 41.117,29.103 ?.20
S\R\C\L\R\: P3.2 U9.14 | length 16.4
  Top Layer w0.254: U9.14 18.4,10.175 22.619,5.956 P3.2
SER: P3.8 U9.17 | length 21.9
  Top Layer w0.254: U9.17 19.909,13.9 19.909,11.562 23.089,8.382 34.849,8.382 36.9,6.331 36.9,6.039 P3.8
SER0: 
SER1: 
SER2: 
SER3: 
SER4: 
SHDN: R14.2 U2.4 U9.25 | length 87
  Top Layer w0.254: U9.25 31.071,15.259 41.834,4.496 v1(44.348,4.496)
  Bottom Layer w0.254: v1(44.348,4.496) 78.791,4.496 83.566,9.271 83.566,15.469 ; R14.2 83.566,15.469 ; U2.4 91.243,17.202 88.265,14.224 84.811,14.224 83.566,15.469
SPI1_SCK: P3.4 U9.15 | length 18.2
  Top Layer w0.254: U9.15 18.909,13.9 18.909,10.631 22.276,7.264 30.226,7.264 31.452,6.039 31.82,6.039 P3.4
STAT: ?.6 LED4.A U9.32 | length 46.8
  Top Layer w0.254: U9.32 24.759,18.767 28.978,18.767 30.099,19.888 LED4.A 29.17,35.803 28.169,36.805 28.169,45.669 31.75,49.251 38.608,49.251 39.617,48.242 ?.6
SWCLK: P1.4 U9.37 | length 30
  Top Layer w0.254: v1(21.082,26.721) 21.742,26.721 23.4,25.063 U9.37
  Bottom Layer w0.254: P1.4 3.073,22.377 3.073,27.407 3.835,28.169 15.265,28.169 16.713,26.721 v1(21.082,26.721)
SWDIO: P1.3 U9.34 | length 34.3
  Top Layer w0.254: U9.34 24.759,19.75 28.383,19.75 v1(28.397,19.736)
  Bottom Layer w0.254: P1.3 7.163,15.596 15.596,15.596 16.535,14.656 24.994,14.656 28.397,18.059 v1(28.397,19.736)
TXD: ?.19 U9.31 | length 23.4
  Top Layer w0.254: U9.31 29.358,18.259 39.617,28.517 ?.19
USART2_RX: P2.3 U9.13 | length 10.9
  Top Layer w0.254: P2.3 17.9,4.184 U9.13
USART2_TX: P2.4 U9.12 | length 12.7
  Top Layer w0.254: P2.4 16.55,5.374 U9.12
pads on no net: ?.2 ?.3 ?.4 ?.5 ?.7 ?.8 ?.9 ?.10 ?.11 ?.12 ?.13 ?.14 ?.15 ?.16 ?.17 ?.18 ?.23 IC2.MH1 IC2.MH2 P3.6 U9.1 U9.2 U9.10 U9.11 U9.19 U9.20 U9.21 U9.22 U9.26 U9.27 U9.28 U9.33 U9.38 U9.39 U9.40 U9.41

## Keep-outs
Keep-Out Layer:
  the board outline again, w0.2

## Other copper
Top Layer:
  rectangle: 45.39,12.04 49.352,14.275
  rectangle: 34.138,14.732 50.013,19.609
Bottom Layer:
  rectangle: 66.878,33.452 85.09,36.627
  rectangle: 69.444,37.313 90.78,40.259

## Silkscreen, mask and mechanical layers (free items; w line width, h text height)
Top Solder:
  text "竹蜻蜓" at 34.671,15.062 h5.08
  text "4号" at 45.695,12.217 h2.54
Bottom Solder:
  text "顺风波以从流兮" at 90.754,37.643 h3.05
  text "焉洋洋而为客" at 84.785,33.909 h3.05

## Text inside footprints (layer, text, board x,y; h text height)
P3: Top Overlay "8" at 38.506,5.448 h1.27; Top Overlay "7" at 38.506,2.908 h1.27; Top Overlay "1" at 27.33,2.908 h1.27; Top Overlay "2" at 26.822,5.448 h1.27
?: Top Overlay "JDY-08" at 41.248,40.148 h1